# Altium PCB DCAC_V2c.PcbDoc (part 3 of 7) (continued)
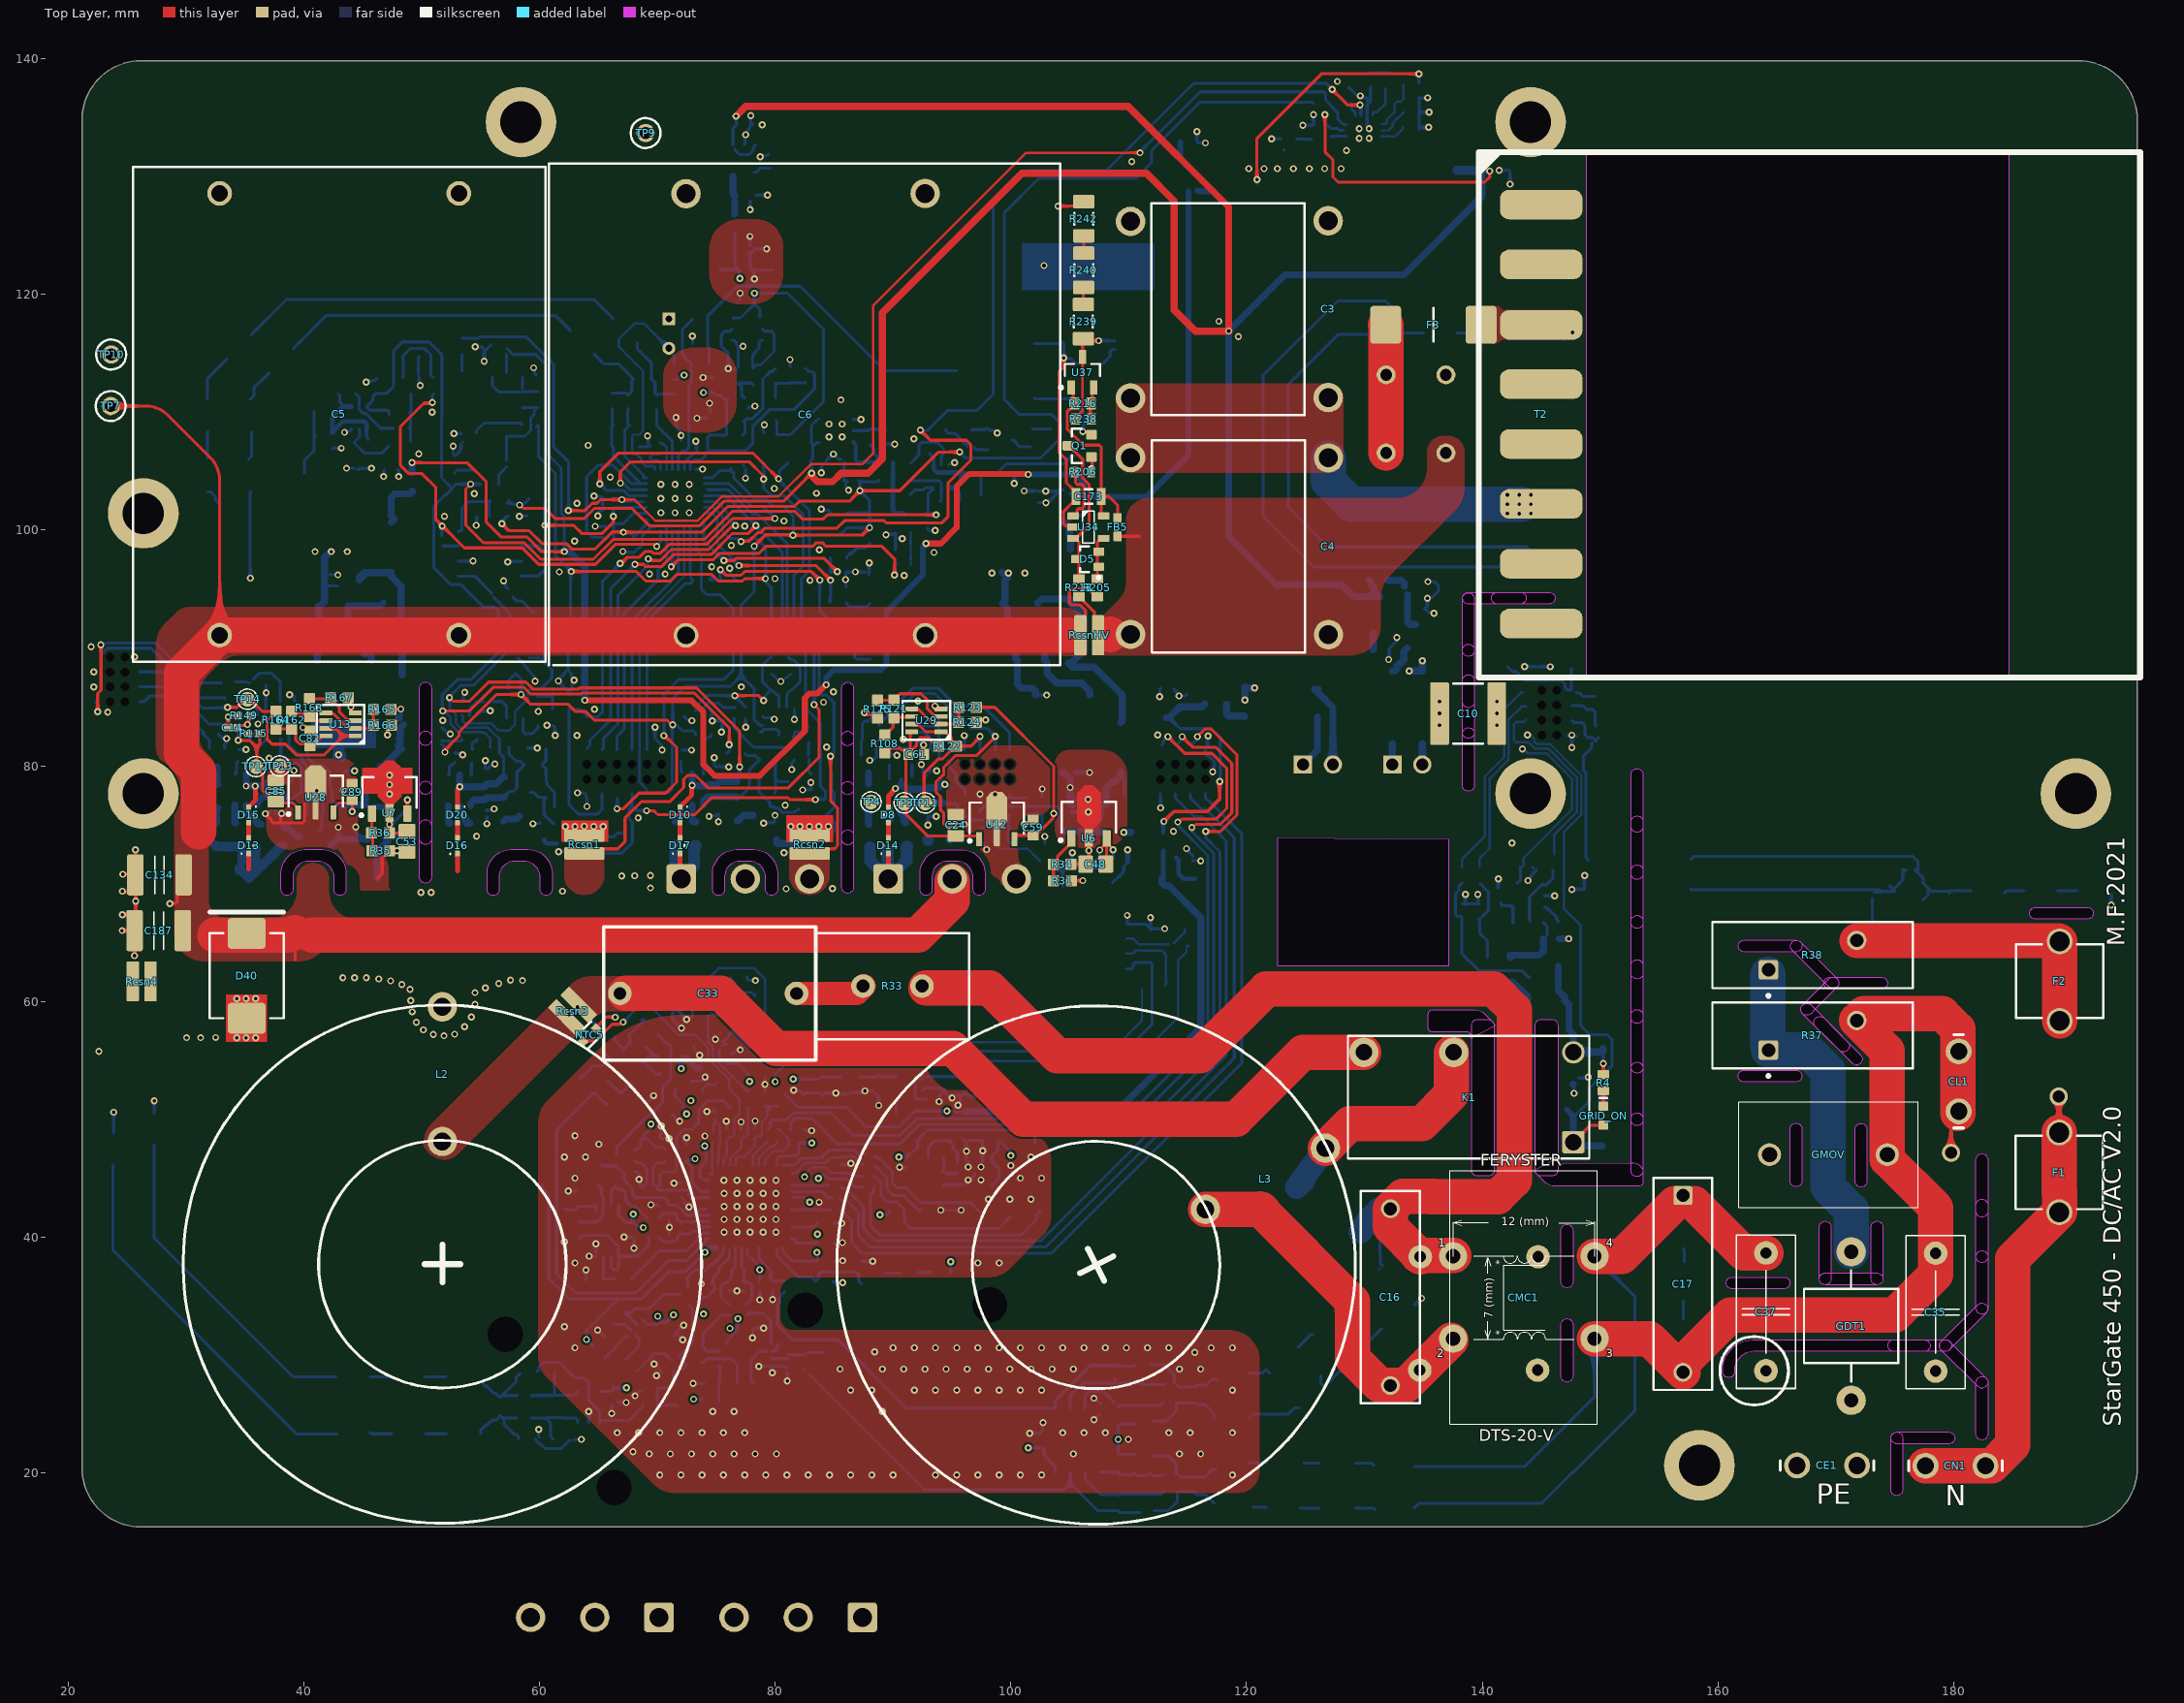
[diagram p0: Top Layer view]
## Part data (continued)
R214: library part CMP-2000-00583-1, Case Code (Imperial)=0603, Case Code (Metric)=1608, Manufacturer=Panasonic, Manufacturer Part Number=ERJ-3EKF59R0V, Max Operating Temperature=155°C, Max Power Dissipation=100mW, Min Operating Temperature=-55°C, Package Quantity=1, Resistance Tolerance=1%, Resistor Type="Thick Film", Supplier Part Number 1=P59.0HCT-ND, Temperature coefficient=100ppm/°C, Voltage Rating=75V, Voltage Rating (DC)=50V, Case/Package=0603, Category="Chip SMD Resistors", ComponentLink1Description=https://datasheet.ciiva.com/9188/aoa0000ce2-9188485.pdf?src-supplier=Avnet, ComponentLink1URL=https://datasheet.ciiva.com/9188/aoa0000ce2-9188485.pdf?src-supplier=Avnet, ComponentLink2Description=https://datasheet.ciiva.com/46420/1678782-46420341.pdf?src-supplier=Element14, ComponentLink2URL=https://datasheet.ciiva.com/46420/1678782-46420341.pdf?src-supplier=Element14, ComponentLink3Description=https://datasheet.ciiva.com/22729/1678782-22729158.pdf?src-supplier=Farnell, ComponentLink3URL=https://datasheet.ciiva.com/22729/1678782-22729158.pdf?src-supplier=Farnell, ComponentLink4Description=https://datasheet.ciiva.com/22673/1678782-22673800.pdf?src-supplier=Element14, ComponentLink4URL=https://datasheet.ciiva.com/22673/1678782-22673800.pdf?src-supplier=Element14, ComponentLink5Description=https://datasheet.ciiva.com/9188/aoa0000ce2-9188489.pdf?src-supplier=Avnet, ComponentLink5URL=https://datasheet.ciiva.com/9188/aoa0000ce2-9188489.pdf?src-supplier=Avnet, ComponentLink6Description=https://datasheet.ciiva.com/30242/aoa0000ce2-30242153.pdf?src-supplier=Onlinecomponents.com, ComponentLink6URL=https://datasheet.ciiva.com/30242/aoa0000ce2-30242153.pdf?src-supplier=Onlinecomponents.com, ComponentLink7Description=https://datasheet.ciiva.com/16777/70260748-16777979.pdf?src-supplier=Allied+Electronics, ComponentLink7URL=https://datasheet.ciiva.com/16777/70260748-16777979.pdf?src-supplier=Allied+Electronics, Construction=Rectangular, Contact Plating=Tin, Depth=0.8mm, Features="Automotive AEC-Q200", Height=0.45mm, Lead Free="Contains Lead", Length=1.6mm, Military Standard=Not, Mount="Surface Mount", Number of Terminations=2, Packaging="Tape and Reel", Part Number=ERJ-3EKF59R0V, Power Rating=100mW, Pricing 1="1=0.10000, 10=0.03700, 100=0.01490, 1000=0.00670, 2500=0.00582 (USD)", REACH SVHC=Yes, Resistance=59R, RoHS=Yes, RoHS Compliant=Yes, Series=ERJ, Stock 1=39151, Supplier 1=Digi-Key, Technology="THICK FILM", Termination=SMD/SMT, Tolerance=1%, Width=0.031inch
R218 R219: library part CMP-2003-00835-1, "±1% ±100ppm/℃ 0.25W 10kΩ 1206 Chip Resistor - Surface Mount ROHS", Case Code (Imperial)=1206, Case Code (Metric)=3216, JLCPCB Part #=C17902, Manufacturer=Panasonic, Manufacturer Part Number=ERJ-8ENF3302V, Max Operating Temperature=155°C, Max Power Dissipation=250mW, Min Operating Temperature=-55°C, Part Number=ERJ8ENF3302V, Resistance=33kR, Resistance Tolerance=1%, Resistor Type="Thick Film", Supplier Part Number 1=73AC7929, Temperature coefficient=100ppm/°C, Voltage Rating=200V, Case/Package=1206, Category="Chip SMD Resistors", ComponentLink1Description=https://datasheet.ciiva.com/7802/1678782-7802698.pdf?src-supplier=Element14, ComponentLink1URL=https://datasheet.ciiva.com/7802/1678782-7802698.pdf?src-supplier=Element14, ComponentLink2Description=https://datasheet.ciiva.com/22687/1678782-22687084.pdf?src-supplier=Element14, ComponentLink2URL=https://datasheet.ciiva.com/22687/1678782-22687084.pdf?src-supplier=Element14, ComponentLink3Description=https://datasheet.ciiva.com/9190/aoa0000ce2-9190686.pdf?src-supplier=Avnet, ComponentLink3URL=https://datasheet.ciiva.com/9190/aoa0000ce2-9190686.pdf?src-supplier=Avnet, ComponentLink4Description=https://datasheet.ciiva.com/7802/426256-7802463.pdf?src-supplier=Element14, ComponentLink4URL=https://datasheet.ciiva.com/7802/426256-7802463.pdf?src-supplier=Element14, ComponentLink5Description=https://datasheet.ciiva.com/16758/70260748-16758335.pdf?src-supplier=Allied+Electronics, ComponentLink5URL=https://datasheet.ciiva.com/16758/70260748-16758335.pdf?src-supplier=Allied+Electronics, ComponentLink6Description=https://datasheet.ciiva.com/24168/aoa0000ce2-24168303.pdf?src-supplier=Mouser, ComponentLink6URL=https://datasheet.ciiva.com/24168/aoa0000ce2-24168303.pdf?src-supplier=Mouser, ComponentLink7Description=https://datasheet.ciiva.com/30215/aoa0000ce2-30215919.pdf?src-supplier=Onlinecomponents.com, ComponentLink7URL=https://datasheet.ciiva.com/30215/aoa0000ce2-30215919.pdf?src-supplier=Onlinecomponents.com, ComponentLink8Description=https://datasheet.ciiva.com/46436/1678782-46436639.pdf?src-supplier=Element14, ComponentLink8URL=https://datasheet.ciiva.com/46436/1678782-46436639.pdf?src-supplier=Element14, Construction=Rectangular, Contact Plating=Tin, Depth=1.6mm, Height=0.6mm, Length=3.2mm, Military Standard=Not, Mount="Surface Mount", Number of Pins=2, Number of Terminations=2, Packaging="Tape and Reel", Power Rating=250mW, Pricing 1="5000=0.01400, 10000=0.01300 (USD)", Radiation Hardening=No, REACH SVHC="No SVHC", RoHS=Yes, RoHS Compliant=Yes, Series=ERJ, Stock 1=95000, Supplier 1=Newark, Technology="THICK FILM", Termination=SMD/SMT, Tolerance=1%, Weight=0.000571oz, Width=0.063inch
R241: library part CMP-2000-00874-1, Manufacturer=Panasonic, Part Number=ERA-3AEB103V
R247: library part CMP-2100-03667-1, "Chip Resistor, 0 Ohm, +/- 5%, 0.1 W, -55 to 155 degC, 0603 (1608 Metric), RoHS, Tape and Reel", Case Code (Imperial)=0603, Case Code (Metric)=1608, Manufacturer=Yageo, Manufacturer Part Number=RC0603JR-070RL, Max Operating Temperature=155degC, Max Power Dissipation=100mW, Min Operating Temperature=-55degC, Package Description="2-Pin Surface Mount Device, Body 1.6 x 0.8 mm", Package Quantity=5000, Resistance=0mOhm, Resistance Tolerance=5%, Resistor Type="Thick Film", Temperature coefficient=200ppm/degreesC, Voltage Rating=50V, Case/Package=0603, Category="Chip SMD Resistors", ComponentLink1Description=https://datasheet.ciiva.com/11808/pyu-r-int-6-11808700.pdf?src-supplier=RSComponents, ComponentLink1URL=https://datasheet.ciiva.com/11808/pyu-r-int-6-11808700.pdf?src-supplier=RSComponents, ComponentLink2Description=https://datasheet.ciiva.com/22747/443971-22747530.pdf?src-supplier=Element14, ComponentLink2URL=https://datasheet.ciiva.com/22747/443971-22747530.pdf?src-supplier=Element14, ComponentLink3Description=https://datasheet.ciiva.com/12555/rc0603-272842-12555254.pdf?src-supplier=Mouser, ComponentLink3URL=https://datasheet.ciiva.com/12555/rc0603-272842-12555254.pdf?src-supplier=Mouser, ComponentLink4Description=https://datasheet.ciiva.com/7746/1738695-7746421.pdf?src-supplier=Element14, ComponentLink4URL=https://datasheet.ciiva.com/7746/1738695-7746421.pdf?src-supplier=Element14, ComponentLink5Description=https://datasheet.ciiva.com/7746/1738695-7746422.pdf?src-supplier=Element14, ComponentLink5URL=https://datasheet.ciiva.com/7746/1738695-7746422.pdf?src-supplier=Element14, ComponentLink6Description=https://datasheet.ciiva.com/8883/pyu-rc0603-51-rohs-l-4-8883045.pdf?src-supplier=Avnet, ComponentLink6URL=https://datasheet.ciiva.com/8883/pyu-rc0603-51-rohs-l-4-8883045.pdf?src-supplier=Avnet, ComponentLink7Description=https://datasheet.ciiva.com/15189/getdatasheetpartid-329462-15189845.pdf?src-supplier=Verical, ComponentLink7URL=https://datasheet.ciiva.com/15189/getdatasheetpartid-329462-15189845.pdf?src-supplier=Verical, Composition=ThickFilm, Construction=Rectangular, Contact Plating=Tin, Datasheet URL=http://www.yageo.com/NewPortal/yageodocoutput?fileName=/pdf/R-Chip/PYu-RC_Group_51_RoHS_L_5.pdf, Datasheet Version="Rev. 5, 10/2016", Depth=0.8mm, Features="Moisture Resistant", Height=0.45mm, Lead Free=LeadFree, Length=1.6mm, Manufacturer URL=http://www.yageo.com/, Military Standard=Not, Number of Pins=2, Number of Terminations=2, Package Reference=0603, Packaging=TapeandReel, Power Rating=100mW, Pricing 1="5000=0.00138, 10000=0.00136, 20000=0.00132, 30000=0.00129, 40000=0.00124, 50000=0.00121, 500000=0.00118 (USD)", Radiation Hardening=No, REACH SVHC=NoSVHC, RoHS=Yes, RoHS Compliant=Yes, RoHSCompliant=true, Series=RC, Size Code=0603, Stock 1=1330000, Supplier 1=Avnet, Supplier Part Number 1=RC0603JR-070RL, Technology="THICK FILM", Termination=SMD/SMT, Tolerance=5%, Voltage Rating (DC)=50V, Width=0.8mm
R248: library part CMP-2000-00369-1, Case Code (Imperial)=0603, Case Code (Metric)=1608, Manufacturer=Panasonic, Manufacturer Part Number=ERJ-3EKF2491V, Max Operating Temperature=155°C, Max Power Dissipation=100mW, Min Operating Temperature=-55°C, Package Quantity=1, Resistance=2.49kR, Resistance Tolerance=1%, Resistor Type="Thick Film", Supplier Part Number 1=1065939, Temperature coefficient=100ppm/°C, Voltage Rating=75V, Voltage Rating (DC)=50V, Case/Package=0603, Category="Chip SMD Resistors", ComponentLink1Description=https://datasheet.ciiva.com/34303/1987855-34303585.pdf?src-supplier=Jameco, ComponentLink1URL=https://datasheet.ciiva.com/34303/1987855-34303585.pdf?src-supplier=Jameco, ComponentLink2Description=https://datasheet.ciiva.com/43460/426256-43460491.pdf?src-supplier=Farnell, ComponentLink2URL=https://datasheet.ciiva.com/43460/426256-43460491.pdf?src-supplier=Farnell, ComponentLink3Description=https://datasheet.ciiva.com/5969/426256-5969254.pdf?src-supplier=Farnell, ComponentLink3URL=https://datasheet.ciiva.com/5969/426256-5969254.pdf?src-supplier=Farnell, ComponentLink4Description=https://datasheet.ciiva.com/22749/1678782-22749613.pdf?src-supplier=Element14, ComponentLink4URL=https://datasheet.ciiva.com/22749/1678782-22749613.pdf?src-supplier=Element14, ComponentLink5Description=https://datasheet.ciiva.com/28694/1678782-28694214.pdf?src-supplier=Element14, ComponentLink5URL=https://datasheet.ciiva.com/28694/1678782-28694214.pdf?src-supplier=Element14, ComponentLink6Description=https://datasheet.ciiva.com/30200/aoa0000ce2-30200873.pdf?src-supplier=Onlinecomponents.com, ComponentLink6URL=https://datasheet.ciiva.com/30200/aoa0000ce2-30200873.pdf?src-supplier=Onlinecomponents.com, ComponentLink7Description=https://datasheet.ciiva.com/15159/getdatasheetpartid-28728-15159196.pdf?src-supplier=Verical, ComponentLink7URL=https://datasheet.ciiva.com/15159/getdatasheetpartid-28728-15159196.pdf?src-supplier=Verical, Construction=Rectangular, Contact Plating=Tin, Depth=0.8mm, Features="Automotive AEC-Q200", Height=0.45mm, Lead Free="Lead Free", Length=1.6mm, Military Standard=Not, Mount="Surface Mount", Number of Terminations=2, Packaging="Tape and Reel", Part Number=ERJ-3EKF2491V, Power Rating=100mW, Pricing 1="5000=0.00600, 5000=0.00400 (USD)", Radiation Hardening=No, REACH SVHC="No SVHC", RoHS=Yes, RoHS Compliant=Yes, Series=ERJ, Stock 1=5000, Supplier 1=RSComponents, Technology="THICK FILM", Termination=SMD/SMT, Tolerance=1%, Width=0.031inch, Working Voltage=75V
R250: library part CMP-2000-00304-1, Case Code (Imperial)=0603, Case Code (Metric)=1608, Manufacturer=Panasonic, Manufacturer Part Number=ERJ3EKF1872V, Max Operating Temperature=155°C, Max Power Dissipation=100mW, Min Operating Temperature=-55°C, Package Quantity=5000, Part Number=ERJ-3EKF1872V, Resistance=18.7kR, Resistance Tolerance=1%, Resistor Type="Thick Film", Supplier Part Number 1=P18.7KHCT-ND, Temperature coefficient=100ppm/°C, Voltage Rating=75V, Voltage Rating (DC)=50V, Case/Package=0603, Category="Chip SMD Resistors", ComponentLink1Description=https://datasheet.ciiva.com/46389/426256-46389543.pdf?src-supplier=Element14, ComponentLink1URL=https://datasheet.ciiva.com/46389/426256-46389543.pdf?src-supplier=Element14, ComponentLink2Description=https://datasheet.ciiva.com/46377/426256-46377847.pdf?src-supplier=Element14, ComponentLink2URL=https://datasheet.ciiva.com/46377/426256-46377847.pdf?src-supplier=Element14, ComponentLink3Description=https://datasheet.ciiva.com/24027/aoa0000ce2-24027197.pdf?src-supplier=Mouser, ComponentLink3URL=https://datasheet.ciiva.com/24027/aoa0000ce2-24027197.pdf?src-supplier=Mouser, ComponentLink4Description=https://datasheet.ciiva.com/16771/70260748-16771897.pdf?src-supplier=Allied+Electronics, ComponentLink4URL=https://datasheet.ciiva.com/16771/70260748-16771897.pdf?src-supplier=Allied+Electronics, ComponentLink5Description=https://datasheet.ciiva.com/9192/aoa0000ce2-9192315.pdf?src-supplier=Avnet, ComponentLink5URL=https://datasheet.ciiva.com/9192/aoa0000ce2-9192315.pdf?src-supplier=Avnet, ComponentLink6Description=https://datasheet.ciiva.com/30054/aoa0000ce2-30054763.pdf?src-supplier=Onlinecomponents.com, ComponentLink6URL=https://datasheet.ciiva.com/30054/aoa0000ce2-30054763.pdf?src-supplier=Onlinecomponents.com, Construction=Rectangular, Contact Plating=Tin, Depth=0.8mm, Features="Automotive AEC-Q200", Height=0.45mm, Lead Free="Lead Free", Length=1.6mm, Military Standard=Not, Mount="Surface Mount", Number of Terminations=2, Packaging="Tape and Reel", Power Rating=100mW, Pricing 1="1=0.10000, 10=0.03700, 100=0.01490, 1000=0.00670, 2500=0.00582 (USD)", REACH SVHC="No SVHC", RoHS=Yes, RoHS Compliant=Yes, Series=ERJ, Stock 1=46053, Supplier 1=Digi-Key, Technology="THICK FILM", Termination=SMD/SMT, Tolerance=1%, Width=0.031inch
R251: library part CMP-2000-03619-1, Case Code (Imperial)=0603, Case Code (Metric)=1608, Manufacturer="Vishay Dale", Manufacturer Part Number=CRCW06038K06FKEA, Max Operating Temperature=155°C, Max Power Dissipation=100mW, Min Operating Temperature=-55°C, Package Quantity=10, Resistance=8.06kR, Resistance Tolerance=1%, Resistor Type="Thick Film", Supplier Part Number 1=6790740, Temperature coefficient=100ppm/°C, Voltage Rating=75V, Case/Package=0603, Category="Chip SMD Resistors", ComponentLink1Description=https://datasheet.ciiva.com/11808/0900766b80d98afc-11808688.pdf?src-supplier=RSComponents, ComponentLink1URL=https://datasheet.ciiva.com/11808/0900766b80d98afc-11808688.pdf?src-supplier=RSComponents, ComponentLink2Description=https://datasheet.ciiva.com/16883/dcrcwe3-16883509.pdf?src-supplier=Avnet+Europe, ComponentLink2URL=https://datasheet.ciiva.com/16883/dcrcwe3-16883509.pdf?src-supplier=Avnet+Europe, ComponentLink3Description=https://datasheet.ciiva.com/5547/dcrcwe3-109170-5547383.pdf?src-supplier=Mouser, ComponentLink3URL=https://datasheet.ciiva.com/5547/dcrcwe3-109170-5547383.pdf?src-supplier=Mouser, ComponentLink4Description=https://datasheet.ciiva.com/2466/dcrcwe3-2466248.pdf?src-supplier=Digi-Key, ComponentLink4URL=https://datasheet.ciiva.com/2466/dcrcwe3-2466248.pdf?src-supplier=Digi-Key, ComponentLink5Description=https://datasheet.ciiva.com/2466/dcrcwe3-2466249.pdf?src-supplier=Digi-Key, ComponentLink5URL=https://datasheet.ciiva.com/2466/dcrcwe3-2466249.pdf?src-supplier=Digi-Key, ComponentLink6Description=https://datasheet.ciiva.com/2466/dcrcwe3-2466250.pdf?src-supplier=Digi-Key, ComponentLink6URL=https://datasheet.ciiva.com/2466/dcrcwe3-2466250.pdf?src-supplier=Digi-Key, ComponentLink7Description=https://datasheet.ciiva.com/7690/1697337-7690746.pdf?src-supplier=Element14, ComponentLink7URL=https://datasheet.ciiva.com/7690/1697337-7690746.pdf?src-supplier=Element14, ComponentLink8Description=https://datasheet.ciiva.com/7792/125364-7792426.pdf?src-supplier=Element14, ComponentLink8URL=https://datasheet.ciiva.com/7792/125364-7792426.pdf?src-supplier=Element14, ComponentLink9Description=https://datasheet.ciiva.com/7690/1697337-7690747.pdf?src-supplier=Element14, ComponentLink9URL=https://datasheet.ciiva.com/7690/1697337-7690747.pdf?src-supplier=Element14, ComponentLink10Description=https://datasheet.ciiva.com/16766/70201119-16766572.pdf?src-supplier=Allied+Electronics, ComponentLink10URL=https://datasheet.ciiva.com/16766/70201119-16766572.pdf?src-supplier=Allied+Electronics, ComponentLink11Description=https://datasheet.ciiva.com/3257/dcrcwe3-3257950.pdf?src-supplier=Avnet, ComponentLink11URL=https://datasheet.ciiva.com/3257/dcrcwe3-3257950.pdf?src-supplier=Avnet, ComponentLink12Description=https://datasheet.ciiva.com/16435/dcrcwe3-16435966.pdf?src-supplier=Future+Electronics, ComponentLink12URL=https://datasheet.ciiva.com/16435/dcrcwe3-16435966.pdf?src-supplier=Future+Electronics, ComponentLink13Description=https://datasheet.ciiva.com/16514/dcrcwe3-16514894.pdf?src-supplier=Avnet+Asia, ComponentLink13URL=https://datasheet.ciiva.com/16514/dcrcwe3-16514894.pdf?src-supplier=Avnet+Asia, ComponentLink14Description=https://datasheet.ciiva.com/22707/1697337-22707758.pdf?src-supplier=Element14, ComponentLink14URL=https://datasheet.ciiva.com/22707/1697337-22707758.pdf?src-supplier=Element14, ComponentLink15Description=https://datasheet.ciiva.com/3257/dcrcwe3-3257951.pdf?src-supplier=Avnet, ComponentLink15URL=https://datasheet.ciiva.com/3257/dcrcwe3-3257951.pdf?src-supplier=Avnet, Construction=Rectangular, Contact Plating=Tin, Depth=0.85mm, Features="Automotive AEC-Q200", Height=0.45mm, Lead Free="Lead Free", Length=1.55mm, Military Standard=Not, Mount="Surface Mount", Number of Terminations=2, Packaging="Tape and Reel", Part Number=CRCW06038K06FKEA, Power Rating=100mW, Pricing 1="50=0.03200, 250=0.02900, 500=0.02800, 1000=0.02500, 2500=0.02400, 50=0.02300, 250=0.02100, 500=0.02000, 1000=0.01800, 2500=0.01700 (USD)", Radiation Hardening=No, REACH SVHC=Unknown, RoHS=Yes, RoHS Compliant=Yes, Series=CRCW, Size Code=0603, Stock 1=19100, Supplier 1=RSComponents, Technology="THICK FILM", Termination=SMD/SMT, Tolerance=1%, Voltage Rating (DC)=75V, Weight=7.1E-05oz, Width=0.85mm
R258: library part RES, "±1% ±400ppm/℃ 5.1Ω 0.1W 0603 Chip Resistor - Surface Mount ROHS", Case Code (Imperial)=0603, Case Code (Metric)=1608, JLCPCB Part #=C25197, Manufacturer=Panasonic, Manufacturer Part Number=ERJ-3EKF1803V, Max Operating Temperature=155°C, Max Power Dissipation=100mW, Min Operating Temperature=-55°C, Package Quantity=1, Part Number=ERJ3EKF1803V, Resistance=180kR, Resistance Tolerance=1%, Resistor Type="Thick Film", Supplier Part Number 1=P180KHCT-ND, Temperature coefficient=100ppm/°C, Voltage Rating=75V, Case/Package=0603, Category="Chip SMD Resistors", ComponentLink1Description=https://datasheet.ciiva.com/22739/426256-22739797.pdf?src-supplier=Element14, ComponentLink1URL=https://datasheet.ciiva.com/22739/426256-22739797.pdf?src-supplier=Element14, ComponentLink2Description=https://datasheet.ciiva.com/24162/aoa0000ce2-24162661.pdf?src-supplier=Mouser, ComponentLink2URL=https://datasheet.ciiva.com/24162/aoa0000ce2-24162661.pdf?src-supplier=Mouser, ComponentLink3Description=https://datasheet.ciiva.com/30137/aoa0000ce2-30137813.pdf?src-supplier=Onlinecomponents.com, ComponentLink3URL=https://datasheet.ciiva.com/30137/aoa0000ce2-30137813.pdf?src-supplier=Onlinecomponents.com, ComponentLink4Description=https://datasheet.ciiva.com/46436/1678782-46436790.pdf?src-supplier=Element14, ComponentLink4URL=https://datasheet.ciiva.com/46436/1678782-46436790.pdf?src-supplier=Element14, ComponentLink5Description=https://datasheet.ciiva.com/46436/1678782-46436791.pdf?src-supplier=Element14, ComponentLink5URL=https://datasheet.ciiva.com/46436/1678782-46436791.pdf?src-supplier=Element14, ComponentLink6Description=https://datasheet.ciiva.com/16782/70260748-16782408.pdf?src-supplier=Allied+Electronics, ComponentLink6URL=https://datasheet.ciiva.com/16782/70260748-16782408.pdf?src-supplier=Allied+Electronics, ComponentLink7Description=https://datasheet.ciiva.com/17207/aoa0000ce2-17207208.pdf?src-supplier=Avnet+Europe, ComponentLink7URL=https://datasheet.ciiva.com/17207/aoa0000ce2-17207208.pdf?src-supplier=Avnet+Europe, ComponentLink8Description=https://datasheet.ciiva.com/28568/1678782-28568699.pdf?src-supplier=Element14, ComponentLink8URL=https://datasheet.ciiva.com/28568/1678782-28568699.pdf?src-supplier=Element14, ComponentLink9Description=https://datasheet.ciiva.com/5915/aoa0000ce2-5915294.pdf?src-supplier=Farnell, ComponentLink9URL=https://datasheet.ciiva.com/5915/aoa0000ce2-5915294.pdf?src-supplier=Farnell, ComponentLink10Description=https://datasheet.ciiva.com/9184/aoa0000ce2-9184911.pdf?src-supplier=Avnet, ComponentLink10URL=https://datasheet.ciiva.com/9184/aoa0000ce2-9184911.pdf?src-supplier=Avnet, Construction=Rectangular, Contact Plating=Tin, Depth=0.8mm, Features="Automotive AEC-Q200", Height=0.022inch, Lead Free="Lead Free", Length=1.6mm, Military Standard=Not, Mount="Surface Mount", Number of Terminations=2, Packaging="Tape and Reel", Power Rating=100mW, Pricing 1="1=0.10000, 10=0.06100, 100=0.02460, 1000=0.01106, 2500=0.00960 (USD)", Radiation Hardening=No, REACH SVHC="No SVHC", RoHS=Yes, RoHS Compliant=Yes, Series=ERJ, Stock 1=113875, Supplier 1=Digi-Key, Termination=SMD/SMT, Tolerance=1%, Voltage Rating (DC)=75V, Weight=7.1E-05oz, Width=0.031inch
R260 R261 R264 R265: library part RES, "1M5 0.25W 1% 1206 (3216 Metric)  SMD", Case Code (Imperial)=1206, Case Code (Metric)=3216, Manufacturer=Yageo, Manufacturer Part Number=RT1206BRD07422KL, Max Operating Temperature=125°C, Max Power Dissipation=250mW, Min Operating Temperature=-55°C, Package Quantity=5000, Power="0.25 W", Resistance=422kR, Resistor Type="Thin Film", Temperature coefficient=25ppm/°C, Tolerance="1 %", Voltage Rating=200V, Case-EIA=1206, Case-Metric=3216, Case/Package=1206, Category="Chip SMD Resistors", ComponentLink1Description=https://datasheet.ciiva.com/2587/pyu-rt-1-to-0-05-rohs-l-5-2587699.pdf?src-supplier=Digi-Key, ComponentLink1URL=https://datasheet.ciiva.com/2587/pyu-rt-1-to-0-05-rohs-l-5-2587699.pdf?src-supplier=Digi-Key, ComponentLink2Description=https://datasheet.ciiva.com/12702/pyu-rt-1-to-0-05-rohs-l-4-12702650.pdf?src-supplier=Mouser, ComponentLink2URL=https://datasheet.ciiva.com/12702/pyu-rt-1-to-0-05-rohs-l-4-12702650.pdf?src-supplier=Mouser, Height=0.026inch, Lead Free="Lead Free", Length=0.122inch, Number of Terminations=2, Packaging="Tape and Reel", Power Rating=250mW, Pricing 1="5000=0.04959, 10000=0.04889, 20000=0.04749, 30000=0.04644, 40000=0.04470, 50000=0.04365, 500000=0.04260 (USD)", RoHS=Yes, RoHS Compliant=Yes, Series=RT, Supplier 1=Avnet, Supplier Part Number 1=RT1206BRD07422KL, Technology=SMT, Termination=SMD/SMT, Voltage Rating (DC)=200V, Width=0.063inch
R262 R263: library part CMP-2001-00026-5, "±1% 2kΩ ±100ppm/℃ 0.125W 0805 Chip Resistor - Surface Mount ROHS", JLCPCB Part #=C17604, Manufacturer=Panasonic, Max Operating Temperature="155 degC", Min Operating Temperature="-55 degC", Package Quantity=5000, Voltage Rating="150 V", ComponentLink1Description="Manufacturer URL", ComponentLink1URL=http://www.panasonic.com/, ComponentLink2Description=Datasheet, ComponentLink2URL=http://industrial.panasonic.com/cdbs/www-data/pdf/RDA0000/AOA0000C86.pdf, DatasheetVersion=04/2015, Height="0.6 mm", Length="2 mm", Mount="Surface Mount", Mounting Technology="Surface Mount", PackageDescription="2-Pin Surface Mount Device, Body 2 x 1.25 mm", PackageReference=0805, Packaging="Tape and Reel", REACH SVHC=Unknown, RoHSCompliant=true
R266: library part RES, "1/16W ±1% ±200ppm/℃ 49.9Ω 0402 Chip Resistor - Surface Mount ROHS", JLCPCB Part #=C25120, Manufacturer=Panasonic, Part Number=ERJ-2RKF49R9X
R267: library part RES, "RES SMD 1.5K OHM 0.1% 1/10W 0603", Case Code (Imperial)=0603, Case Code (Metric)=1608, Manufacturer=Yageo, Manufacturer Part Number=RT0603BRE071KL, Max Operating Temperature=155°C, Max Power Dissipation=100mW, Min Operating Temperature=-55°C, Package Quantity=5000, Resistance=1kR, Resistor Type="Thin Film", Supplier Part Number 1=YAG2314CT-ND, Temperature coefficient=50ppm/°C, Tolerance=0.1%, Voltage Rating (DC)=50V, Case/Package=0603, Category="Chip SMD Resistors", ComponentLink1Description=https://datasheet.ciiva.com/2584/pyu-rt-1-to-0-05-rohs-l-5-2584317.pdf?src-supplier=Digi-Key, ComponentLink1URL=https://datasheet.ciiva.com/2584/pyu-rt-1-to-0-05-rohs-l-5-2584317.pdf?src-supplier=Digi-Key, Construction=Rectangular, Depth=0.8mm, Features="Moisture Resistant", Height=0.022inch, Lead Free="Lead Free", Length=0.063inch, Military Standard=Not, Number of Terminations=2, Packaging="Tape and Reel", Part Number=RT0603BRE071KL, Power Rating=100mW, Pricing 1="1=0.38000, 10=0.27500, 100=0.11000, 1000=0.05420, 2500=0.05021 (USD)", RoHS=Yes, RoHS Compliant=Yes, Series=RT, Size Code=0603, Stock 1=173, Supplier 1=Digi-Key, Width=0.031inch
R268: library part RES_0R_0603, "±1% 0Ω 0.1W 0603 Chip Resistor - Surface Mount ROHS", JLCPCB Part #=C21189, Manufacturer 1=Vishay/Dale, Manufacturer 2="Panasonic Electronic Components", Manufacturer 3=Yageo, Manufacturer Part Number 1=CRCW06030000Z0EA, Manufacturer Part Number 2=ERJ-3GEY0R00V, Manufacturer Part Number 3=AC0603JR-070RL, Package / Case="0603 (1608metric)", Ratings=1/10W, Supplier Part Number 1=541-0.0GCT-ND, Tolerance=±5%, ComponentLink1Description=http://www.vishay.com/doc?20035, ComponentLink1URL=http://www.vishay.com/doc?20035, ComponentLink2Description=http://industrial.panasonic.com/www-cgi/jvcr13pz.cgi?E+PZ+3+AOA0001+ERJ3GEY0R00V+7+WW, ComponentLink2URL=http://industrial.panasonic.com/www-cgi/jvcr13pz.cgi?E+PZ+3+AOA0001+ERJ3GEY0R00V+7+WW, ComponentLink3Description=http://www.yageo.com/documents/recent/PYu-AC_51_RoHS_L_2.pdf, ComponentLink3URL=http://www.yageo.com/documents/recent/PYu-AC_51_RoHS_L_2.pdf, RoHS 2="RoHS Compliant", RoHS 3="RoHS Compliant", SCDType=spec, Supplier 1=Digi-Key, Supplier 2=Digi-Key, Supplier 3=Digi-Key, Supplier Part Number 2=P0.0GTR-ND, Supplier Part Number 3=311-0.0LECT-ND
Rcsn1 Rcsn2 Rcsn3 Rcsn4 RcsnHV: library part FCSL32R010FER, "Resistors FCSL Series Metal Foil Power Rating 1.5W Tape Reel Resistance 20 mOhms", Manufacturer=Ohmite, Manufacturer Part Number=FCSL32R020FER, Mouser Part Number=588-FCSL32R020FER, Supplier Part Number 1=FCSL32R020FERCT-ND, Category="Chip SMD Resistors", ComponentLink1Description=http://www.farnell.com/datasheets/2645666.pdf?src-supplier=Farnell, ComponentLink1URL=http://www.farnell.com/datasheets/2645666.pdf?src-supplier=Farnell, Datasheet Link=https://www.mouser.com/datasheet/2/303/res_fcsl-1265567.pdf, Height=0.8mm, Manufacturer_Name=Ohmite, Manufacturer_Part_Number=FCSL32R020FER, Mouser Price/Stock=https://www.mouser.co.uk/ProductDetail/Ohmite/FCSL32R010FER?qs=y6ZabgHbY%252Bzyqz46BACxrg%3D%3D, Pricing 1="1=0.63000, 10=0.45000, 25=0.35120, 50=0.29700, 100=0.23400, 250=0.19800, 500=0.16200, 1000=0.12600 (USD)", RoHS=Yes, Stock 1=1940, Supplier 1=Digi-Key
T2: library part TI-ETD39-200V-2A-LLC, "Lr=1.9uH / Lm=10.2uH / n=5.7 / Vin=30-40V / Vout=200V"
TP1 TP2 TP3 TP4 TP5 TP6 TP8 TP11 TP12 TP13 TP14 TP15 TP16 TP17 TP18 TP19 TP20 TP21 TP22 TP23 TP24 TP27 TP28 TP29 TP30 TP31 TP32 TP33 TP34 TP35 TP36 TP37 TP38 TP39 TP41 TP42 TP43 TP44 TP45 TP46 TP47 TP48 TP49 TP50 TP51 TP52 TP53 TP54 TP55 TP56 TP57 TP58 TP59 TP60 TP61 TP62 TP63 TP64 TP65 TP66 TP67 TP68 TP69 TP70: "SMD test pin"
TP7 TP25 TP26: library part CMP-2000-05182-1, "Test Point, White, 1-Pin THD, RoHS, Bulk", Color=White, Manufacturer=KeystoneElectronics, Brand=KeystoneElectronics, Contact Material=PhosphorBronze, Datasheet URL=https://ciiva.com/datasheet-click-2917627?src=ciiva&sig=bd195616, Datasheet Version="Rev. G, 12/2008", Length=7.62mm, Manufacturer URL=http://www.keyelco.com/, Material=Nylon, Mounting Hole Size=1mm, Outside Diameter=2.54mm, Packaging=Bulk, Plating=Silver, Product=TestPoints, Product Category=CircuitBoardHardware-PCB, RoHS=True, Type=Miniature
TP9 TP10: library part CMP-2000-05181-1, "Test Point, Black, 1-Pin THD, RoHS, Bulk", Alternate Color="5004K-ND / -TESTPOINTPCMINI.040\"DYELLOW / 5003K-ND / -TESTPOINTPCMINI.040\"DORANGE / 5002K-ND / -TESTPOINTPCMINI.040\"DWHITE / 5000K-ND / -TESTPOINTPCMINI.040\"DRED", Color=Black, Manufacturer=Keystone, Standard Package=100, Catalog Drawings=5000Series, Category=TestandMeasurement, Datasheet URL=https://ciiva.com/datasheet-click-2917627?src=ciiva&sig=bd195616, Datasheet Version="Rev. G, 12/2008", Family=TestPoints, Kits="DKTGRS232C-KIT-ND / -TTLCONVERTER", Manufacturer URL=http://www.keyelco.com/, Material=Base,Nylon46,UL94V-0, Mounting Type="0.040\"(1.02mm)HoleDiameter", Online Catalog=ColorCodedTestPoints, Other Names=5001K, Packaging=Bulk, RoHS Information=RoHSComplianceStatement, Series=THM, Terminal="0.010\"x0.020\"(0.25mmx0.51mm)PhosphorBronzeWire,SilverPlated", Type=PCTestPoint,Miniature
U1 U5: "5000Vrms Transistor Output Optocouplers SMD-4 Optocouplers - Phototransistor Output ROHS", Case/Package=SMD/SMT, Collector Emitter Saturation Voltage=200mV, Collector Emitter Voltage (VCEO)=80V, Current Transfer Ratio=320%, Forward Current=50mA, Forward Voltage=1.4V, Isolation Voltage=5kV, JLCPCB Part #=C106900, Manufacturer="Vishay Lite-On", Manufacturer Part Number=LTV-816S-TA1, Max Operating Temperature=110°C, Max Power Dissipation=200mW, Min Operating Temperature=-50°C, Package Quantity=1000, Reverse Breakdown Voltage=6V, Supplier Part Number 1=859-LTV-816S-TA1, Category=Optocouplers, Collector-emitter Voltage-Max=200mV, ComponentLink1Description=https://datasheet.ciiva.com/15119/getdatasheetpartid-317372-15119066.pdf?src-supplier=Verical, ComponentLink1URL=https://datasheet.ciiva.com/15119/getdatasheetpartid-317372-15119066.pdf?src-supplier=Verical, ComponentLink2Description=https://datasheet.ciiva.com/6573/s-110-ltv-816826846m-s-s-ta-s-ta1-s-tpseries-6573991.pdf?src-supplier=Digi-Key, ComponentLink2URL=https://datasheet.ciiva.com/6573/s-110-ltv-816826846m-s-s-ta-s-ta1-s-tpseries-6573991.pdf?src-supplier=Digi-Key, ComponentLink3Description=https://datasheet.ciiva.com/6573/s-110-ltv-816826846m-s-s-ta-s-ta1-s-tpseries-6573992.pdf?src-supplier=Digi-Key, ComponentLink3URL=https://datasheet.ciiva.com/6573/s-110-ltv-816826846m-s-s-ta-s-ta1-s-tpseries-6573992.pdf?src-supplier=Digi-Key, ComponentLink4Description=https://datasheet.ciiva.com/6573/s-110-ltv-816826846m-s-s-ta-s-ta1-s-tpseries-6573993.pdf?src-supplier=Digi-Key, ComponentLink4URL=https://datasheet.ciiva.com/6573/s-110-ltv-816826846m-s-s-ta-s-ta1-s-tpseries-6573993.pdf?src-supplier=Digi-Key, Fall Time=18000ns, Input Type=DC, Isolation Voltage-Max=5kV, Lead Free="Lead Free", Max Collector Current=50mA, Max Input Current=50mA, Max Output Voltage=80V, Mount="Surface Mount", Number of Channels=1, Number Of Circuits=1, Number of Elements=1, Number of Pins=4, Output Current per Channel=50mA, Output Voltage=80V, Packaging="Tape and Reel", Power Dissipation=200mW, Pricing 1="1=0.22000, 10=0.19900, 50=0.19900, 100=0.18000, 1000=0.12500, 10000=0.09700 (USD)", Radiation Hardening=No, Rise Time=18000ns, RoHS=Yes, RoHS Compliant=Yes, Series=-, Stock 1=373, Supplier 1=Mouser
U2 U8 U21 U24 U34 U41: library part CMP-0187-00454-2, "2.8 MHz, 150 Î¼A Op Amp, 5-Pin SOT-23, Extended Temperature Range, Tape and Reel", Code_IPC=SOT23-5, ComponentLink1Description="Manufacturer URL", ComponentLink1URL=http://www.microchip.com/, ComponentLink2Description=Datasheet, ComponentLink2URL=http://ww1.microchip.com/downloads/en/DeviceDoc/22145a.pdf, ComponentLink3Description="Package Specification", ComponentLink3URL=http://www.microchip.com/stellent/groups/techpub_sg/documents/packagingspec/en012702.pdf, DatasheetVersion="revA, Mar-2009", PackageDescription="5-Lead Plastic Small Outline Transistor (OT) [SOT-23]", PackageReference=SOT-23-OT5, PackageVersion="revBB, Aug-2009", RevisionNote="URLs added."